# KiCad board Ethernet controller W5500 board_panel.kicad_pcb (continued)
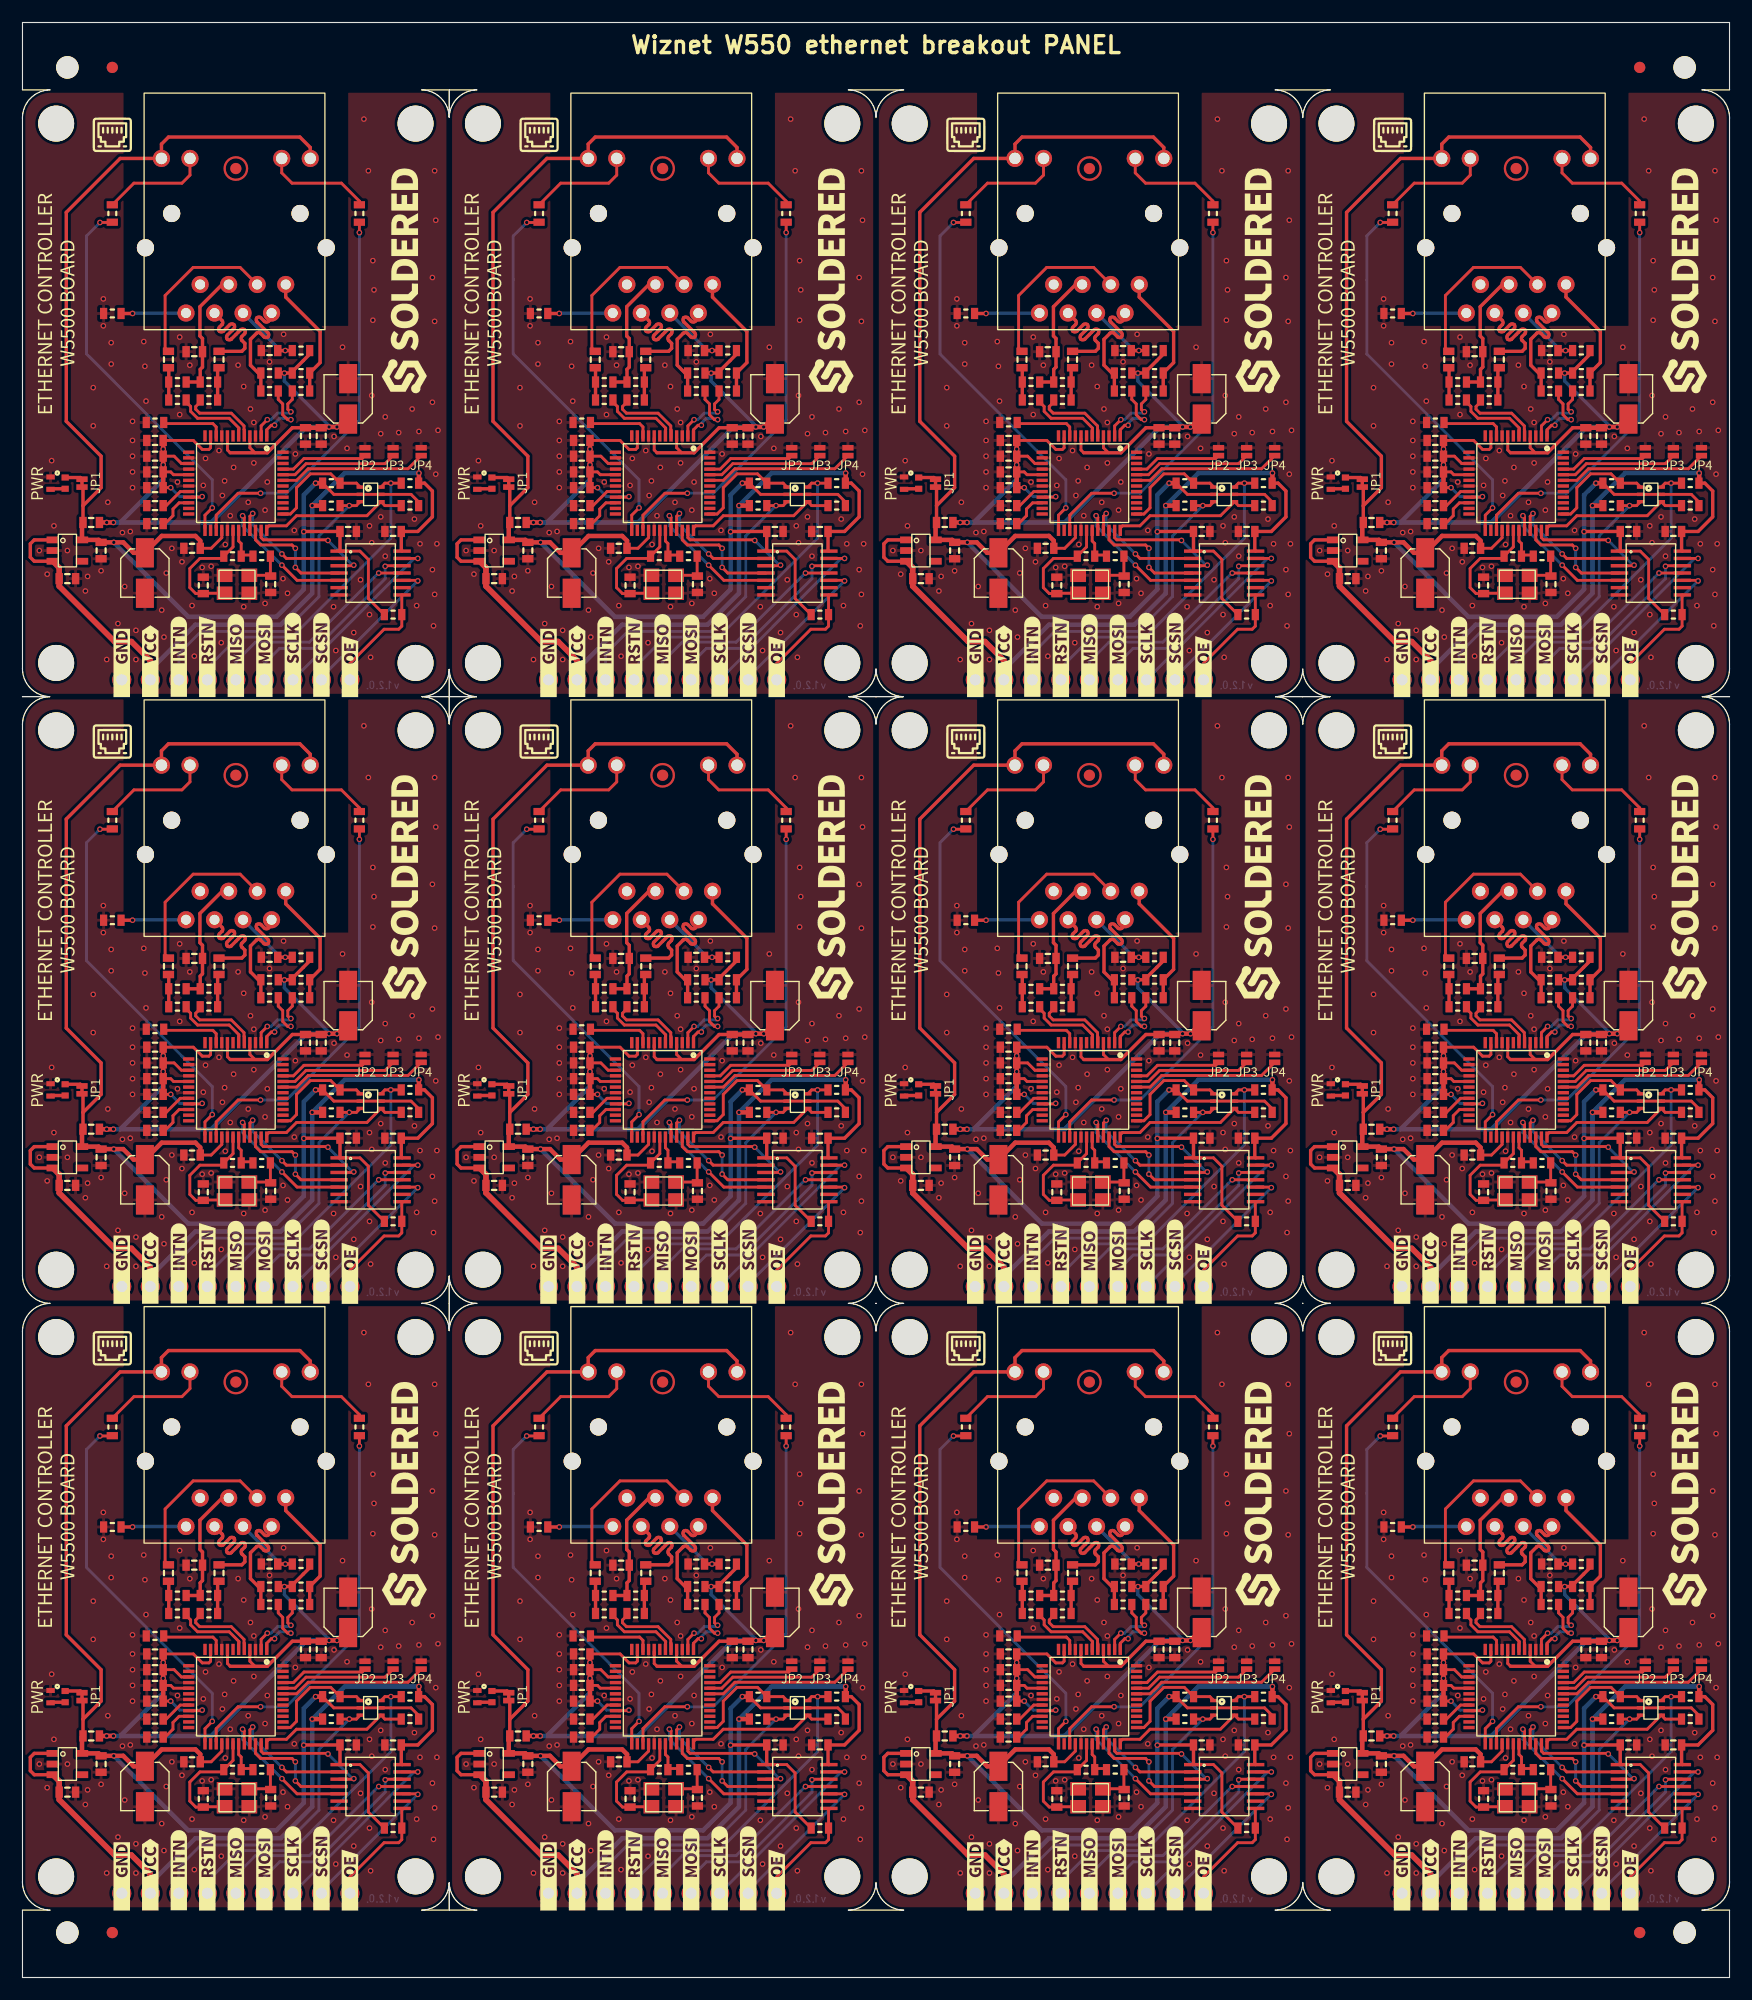
[diagram p0: board, top side]
## Placement (name value [footprint] x y rotation side) (continued)
kibuzzard-6412C5EF#2  G***  [kibuzzard-6412C5EF]  40 149 90 top
kibuzzard-6412C5EF#3  G***  [kibuzzard-6412C5EF]  116 41 90 top
kibuzzard-6412C5EF#4  G***  [kibuzzard-6412C5EF]  116 149 90 top
kibuzzard-6412C5EF#5  G***  [kibuzzard-6412C5EF]  78 95 90 top
kibuzzard-6412C5EF#6  G***  [kibuzzard-6412C5EF]  2 41 90 top
kibuzzard-6412C5EF#7  G***  [kibuzzard-6412C5EF]  40 95 90 top
kibuzzard-6412C5EF#8  G***  [kibuzzard-6412C5EF]  78 41 90 top
kibuzzard-6412C5EF#9  G***  [kibuzzard-6412C5EF]  2 95 90 top
kibuzzard-6412C5EF#10  G***  [kibuzzard-6412C5EF]  116 95 90 top
kibuzzard-6412C5EF#11  G***  [kibuzzard-6412C5EF]  2 149 90 top
kibuzzard-6412C5EF#12  G***  [kibuzzard-6412C5EF]  40 41 90 top
kibuzzard-6412C6D5  G***  [kibuzzard-6412C6D5]  144.5 80.6 0 top
kibuzzard-6412C6D5#2  G***  [kibuzzard-6412C6D5]  144.5 134.6 0 top
kibuzzard-6412C6D5#3  G***  [kibuzzard-6412C6D5]  30.5 80.6 0 top
kibuzzard-6412C6D5#4  G***  [kibuzzard-6412C6D5]  144.5 26.6 0 top
kibuzzard-6412C6D5#5  G***  [kibuzzard-6412C6D5]  30.5 134.6 0 top
kibuzzard-6412C6D5#6  G***  [kibuzzard-6412C6D5]  68.5 80.6 0 top
kibuzzard-6412C6D5#7  G***  [kibuzzard-6412C6D5]  106.5 80.6 0 top
kibuzzard-6412C6D5#8  G***  [kibuzzard-6412C6D5]  68.5 134.6 0 top
kibuzzard-6412C6D5#9  G***  [kibuzzard-6412C6D5]  30.5 26.6 0 top
kibuzzard-6412C6D5#10  G***  [kibuzzard-6412C6D5]  106.5 26.6 0 top
kibuzzard-6412C6D5#11  G***  [kibuzzard-6412C6D5]  106.5 134.6 0 top
kibuzzard-6412C6D5#12  G***  [kibuzzard-6412C6D5]  68.5 26.6 0 top
kibuzzard-6412C6F8  G***  [kibuzzard-6412C6F8]  33 134.6 0 top
kibuzzard-6412C6F8#2  G***  [kibuzzard-6412C6F8]  71 134.6 0 top
kibuzzard-6412C6F8#3  G***  [kibuzzard-6412C6F8]  71 26.6 0 top
kibuzzard-6412C6F8#4  G***  [kibuzzard-6412C6F8]  109 80.6 0 top
kibuzzard-6412C6F8#5  G***  [kibuzzard-6412C6F8]  33 26.6 0 top
kibuzzard-6412C6F8#6  G***  [kibuzzard-6412C6F8]  109 134.6 0 top
kibuzzard-6412C6F8#7  G***  [kibuzzard-6412C6F8]  109 26.6 0 top
kibuzzard-6412C6F8#8  G***  [kibuzzard-6412C6F8]  71 80.6 0 top
kibuzzard-6412C6F8#9  G***  [kibuzzard-6412C6F8]  33 80.6 0 top
kibuzzard-6412C6F8#10  G***  [kibuzzard-6412C6F8]  147 80.6 0 top
kibuzzard-6412C6F8#11  G***  [kibuzzard-6412C6F8]  147 134.6 0 top
kibuzzard-6412C6F8#12  G***  [kibuzzard-6412C6F8]  147 26.6 0 top
kibuzzard-6412C7B1  G***  [kibuzzard-6412C7B1]  59.54 63.64 90 top
kibuzzard-6412C7B1#2  G***  [kibuzzard-6412C7B1]  135.54 9.64 90 top
kibuzzard-6412C7B1#3  G***  [kibuzzard-6412C7B1]  59.54 9.64 90 top
kibuzzard-6412C7B1#4  G***  [kibuzzard-6412C7B1]  97.54 63.64 90 top
kibuzzard-6412C7B1#5  G***  [kibuzzard-6412C7B1]  21.54 9.64 90 top
kibuzzard-6412C7B1#6  G***  [kibuzzard-6412C7B1]  135.54 117.64 90 top
kibuzzard-6412C7B1#7  G***  [kibuzzard-6412C7B1]  21.54 117.64 90 top
kibuzzard-6412C7B1#8  G***  [kibuzzard-6412C7B1]  97.54 9.64 90 top
kibuzzard-6412C7B1#9  G***  [kibuzzard-6412C7B1]  97.54 117.64 90 top
kibuzzard-6412C7B1#10  G***  [kibuzzard-6412C7B1]  21.54 63.64 90 top
kibuzzard-6412C7B1#11  G***  [kibuzzard-6412C7B1]  59.54 117.64 90 top
kibuzzard-6412C7B1#12  G***  [kibuzzard-6412C7B1]  135.54 63.64 90 top
kibuzzard-6412C7D4  G***  [kibuzzard-6412C7D4]  100.08 63.72 90 top
kibuzzard-6412C7D4#2  G***  [kibuzzard-6412C7D4]  62.08 117.72 90 top
kibuzzard-6412C7D4#3  G***  [kibuzzard-6412C7D4]  100.08 117.72 90 top
kibuzzard-6412C7D4#4  G***  [kibuzzard-6412C7D4]  138.08 117.72 90 top
kibuzzard-6412C7D4#5  G***  [kibuzzard-6412C7D4]  138.08 9.72 90 top
kibuzzard-6412C7D4#6  G***  [kibuzzard-6412C7D4]  24.08 9.72 90 top
kibuzzard-6412C7D4#7  G***  [kibuzzard-6412C7D4]  100.08 9.72 90 top
kibuzzard-6412C7D4#8  G***  [kibuzzard-6412C7D4]  24.08 63.72 90 top
kibuzzard-6412C7D4#9  G***  [kibuzzard-6412C7D4]  24.08 117.72 90 top
kibuzzard-6412C7D4#10  G***  [kibuzzard-6412C7D4]  62.08 63.72 90 top
kibuzzard-6412C7D4#11  G***  [kibuzzard-6412C7D4]  62.08 9.72 90 top
kibuzzard-6412C7D4#12  G***  [kibuzzard-6412C7D4]  138.08 63.72 90 top
kibuzzard-6412C7E6  G***  [kibuzzard-6412C7E6]  64.62 63.72 90 top
kibuzzard-6412C7E6#2  G***  [kibuzzard-6412C7E6]  102.62 9.72 90 top
kibuzzard-6412C7E6#3  G***  [kibuzzard-6412C7E6]  26.62 63.72 90 top
kibuzzard-6412C7E6#4  G***  [kibuzzard-6412C7E6]  64.62 9.72 90 top
kibuzzard-6412C7E6#5  G***  [kibuzzard-6412C7E6]  140.62 117.72 90 top
kibuzzard-6412C7E6#6  G***  [kibuzzard-6412C7E6]  26.62 9.72 90 top
kibuzzard-6412C7E6#7  G***  [kibuzzard-6412C7E6]  102.62 117.72 90 top
kibuzzard-6412C7E6#8  G***  [kibuzzard-6412C7E6]  140.62 63.72 90 top
kibuzzard-6412C7E6#9  G***  [kibuzzard-6412C7E6]  140.62 9.72 90 top
kibuzzard-6412C7E6#10  G***  [kibuzzard-6412C7E6]  102.62 63.72 90 top
kibuzzard-6412C7E6#11  G***  [kibuzzard-6412C7E6]  64.62 117.72 90 top
kibuzzard-6412C7E6#12  G***  [kibuzzard-6412C7E6]  26.62 117.72 90 top
kibuzzard-6412C67E  G***  [kibuzzard-6412C67E]  82.5 25 90 top
kibuzzard-6412C67E#2  G***  [kibuzzard-6412C67E]  44.5 25 90 top
kibuzzard-6412C67E#3  G***  [kibuzzard-6412C67E]  120.5 133 90 top
kibuzzard-6412C67E#4  G***  [kibuzzard-6412C67E]  6.5 133 90 top
kibuzzard-6412C67E#5  G***  [kibuzzard-6412C67E]  44.5 79 90 top
kibuzzard-6412C67E#6  G***  [kibuzzard-6412C67E]  6.5 25 90 top
kibuzzard-6412C67E#7  G***  [kibuzzard-6412C67E]  120.5 25 90 top
kibuzzard-6412C67E#8  G***  [kibuzzard-6412C67E]  120.5 79 90 top
kibuzzard-6412C67E#9  G***  [kibuzzard-6412C67E]  82.5 79 90 top
kibuzzard-6412C67E#10  G***  [kibuzzard-6412C67E]  6.5 79 90 top
kibuzzard-6412C67E#11  G***  [kibuzzard-6412C67E]  82.5 133 90 top
kibuzzard-6412C67E#12  G***  [kibuzzard-6412C67E]  44.5 133 90 top
kibuzzard-6412C73A  G***  [kibuzzard-6412C73A]  46.84 9 90 top
kibuzzard-6412C73A#2  G***  [kibuzzard-6412C73A]  8.84 63 90 top
kibuzzard-6412C73A#3  G***  [kibuzzard-6412C73A]  8.84 9 90 top
kibuzzard-6412C73A#4  G***  [kibuzzard-6412C73A]  8.84 117 90 top
kibuzzard-6412C73A#5  G***  [kibuzzard-6412C73A]  84.84 117 90 top
kibuzzard-6412C73A#6  G***  [kibuzzard-6412C73A]  122.84 9 90 top
kibuzzard-6412C73A#7  G***  [kibuzzard-6412C73A]  122.84 63 90 top
kibuzzard-6412C73A#8  G***  [kibuzzard-6412C73A]  84.84 9 90 top
kibuzzard-6412C73A#9  G***  [kibuzzard-6412C73A]  122.84 117 90 top
kibuzzard-6412C73A#10  G***  [kibuzzard-6412C73A]  84.84 63 90 top
kibuzzard-6412C73A#11  G***  [kibuzzard-6412C73A]  46.84 63 90 top
kibuzzard-6412C73A#12  G***  [kibuzzard-6412C73A]  46.84 117 90 top
kibuzzard-6412C76F  G***  [kibuzzard-6412C76F]  89.92 63.55 90 top
kibuzzard-6412C76F#2  G***  [kibuzzard-6412C76F]  127.92 117.55 90 top
kibuzzard-6412C76F#3  G***  [kibuzzard-6412C76F]  127.92 63.55 90 top
kibuzzard-6412C76F#4  G***  [kibuzzard-6412C76F]  13.92 63.55 90 top
kibuzzard-6412C76F#5  G***  [kibuzzard-6412C76F]  89.92 117.55 90 top
kibuzzard-6412C76F#6  G***  [kibuzzard-6412C76F]  51.92 9.55 90 top
kibuzzard-6412C76F#7  G***  [kibuzzard-6412C76F]  127.92 9.55 90 top
kibuzzard-6412C76F#8  G***  [kibuzzard-6412C76F]  89.92 9.55 90 top
kibuzzard-6412C76F#9  G***  [kibuzzard-6412C76F]  51.92 117.55 90 top
kibuzzard-6412C76F#10  G***  [kibuzzard-6412C76F]  51.92 63.55 90 top
kibuzzard-6412C76F#11  G***  [kibuzzard-6412C76F]  13.92 9.55 90 top
kibuzzard-6412C76F#12  G***  [kibuzzard-6412C76F]  13.92 117.55 90 top
kibuzzard-6412C79E  G***  [kibuzzard-6412C79E]  19 63.66 90 top
kibuzzard-6412C79E#2  G***  [kibuzzard-6412C79E]  95 63.66 90 top
kibuzzard-6412C79E#3  G***  [kibuzzard-6412C79E]  95 117.66 90 top
kibuzzard-6412C79E#4  G***  [kibuzzard-6412C79E]  57 117.66 90 top
kibuzzard-6412C79E#5  G***  [kibuzzard-6412C79E]  133 63.66 90 top
kibuzzard-6412C79E#6  G***  [kibuzzard-6412C79E]  57 9.66 90 top
kibuzzard-6412C79E#7  G***  [kibuzzard-6412C79E]  19 117.66 90 top
kibuzzard-6412C79E#8  G***  [kibuzzard-6412C79E]  133 117.66 90 top
kibuzzard-6412C79E#9  G***  [kibuzzard-6412C79E]  95 9.66 90 top
kibuzzard-6412C79E#10  G***  [kibuzzard-6412C79E]  133 9.66 90 top
kibuzzard-6412C79E#11  G***  [kibuzzard-6412C79E]  57 63.66 90 top
kibuzzard-6412C79E#12  G***  [kibuzzard-6412C79E]  19 9.66 90 top
kibuzzard-6412C628  G***  [kibuzzard-6412C628]  42 95 90 top
kibuzzard-6412C628#2  G***  [kibuzzard-6412C628]  42 149 90 top
kibuzzard-6412C628#3  G***  [kibuzzard-6412C628]  118 95 90 top
kibuzzard-6412C628#4  G***  [kibuzzard-6412C628]  4 41 90 top
kibuzzard-6412C628#5  G***  [kibuzzard-6412C628]  80 149 90 top
kibuzzard-6412C628#6  G***  [kibuzzard-6412C628]  42 41 90 top
kibuzzard-6412C628#7  G***  [kibuzzard-6412C628]  80 95 90 top
kibuzzard-6412C628#8  G***  [kibuzzard-6412C628]  4 95 90 top
kibuzzard-6412C628#9  G***  [kibuzzard-6412C628]  80 41 90 top
kibuzzard-6412C628#10  G***  [kibuzzard-6412C628]  118 41 90 top
kibuzzard-6412C628#11  G***  [kibuzzard-6412C628]  4 149 90 top
kibuzzard-6412C628#12  G***  [kibuzzard-6412C628]  118 149 90 top
kibuzzard-6412C635  G***  [kibuzzard-6412C635]  115.3 25 90 top
kibuzzard-6412C635#2  G***  [kibuzzard-6412C635]  1.3 79 90 top
kibuzzard-6412C635#3  G***  [kibuzzard-6412C635]  1.3 25 90 top
kibuzzard-6412C635#4  G***  [kibuzzard-6412C635]  77.3 133 90 top
kibuzzard-6412C635#5  G***  [kibuzzard-6412C635]  77.3 25 90 top
kibuzzard-6412C635#6  G***  [kibuzzard-6412C635]  39.3 133 90 top
kibuzzard-6412C635#7  G***  [kibuzzard-6412C635]  115.3 133 90 top
kibuzzard-6412C635#8  G***  [kibuzzard-6412C635]  39.3 25 90 top
kibuzzard-6412C635#9  G***  [kibuzzard-6412C635]  39.3 79 90 top
kibuzzard-6412C635#10  G***  [kibuzzard-6412C635]  77.3 79 90 top
kibuzzard-6412C635#11  G***  [kibuzzard-6412C635]  1.3 133 90 top
kibuzzard-6412C635#12  G***  [kibuzzard-6412C635]  115.3 79 90 top
kibuzzard-6412C713  G***  [kibuzzard-6412C713]  35.5 26.6 0 top
kibuzzard-6412C713#2  G***  [kibuzzard-6412C713]  111.5 80.6 0 top
kibuzzard-6412C713#3  G***  [kibuzzard-6412C713]  111.5 26.6 0 top
kibuzzard-6412C713#4  G***  [kibuzzard-6412C713]  35.5 134.6 0 top
kibuzzard-6412C713#5  G***  [kibuzzard-6412C713]  73.5 134.6 0 top
kibuzzard-6412C713#6  G***  [kibuzzard-6412C713]  35.5 80.6 0 top
kibuzzard-6412C713#7  G***  [kibuzzard-6412C713]  73.5 26.6 0 top
kibuzzard-6412C713#8  G***  [kibuzzard-6412C713]  149.5 80.6 0 top
kibuzzard-6412C713#9  G***  [kibuzzard-6412C713]  111.5 134.6 0 top
kibuzzard-6412C713#10  G***  [kibuzzard-6412C713]  73.5 80.6 0 top
kibuzzard-6412C713#11  G***  [kibuzzard-6412C713]  149.5 26.6 0 top
kibuzzard-6412C713#12  G***  [kibuzzard-6412C713]  149.5 134.6 0 top
kibuzzard-6412C763  G***  [kibuzzard-6412C763]  49.38 9.16 90 top
kibuzzard-6412C763#2  G***  [kibuzzard-6412C763]  125.38 117.16 90 top
kibuzzard-6412C763#3  G***  [kibuzzard-6412C763]  87.38 63.16 90 top
kibuzzard-6412C763#4  G***  [kibuzzard-6412C763]  125.38 9.16 90 top
kibuzzard-6412C763#5  G***  [kibuzzard-6412C763]  49.38 117.16 90 top
kibuzzard-6412C763#6  G***  [kibuzzard-6412C763]  125.38 63.16 90 top
kibuzzard-6412C763#7  G***  [kibuzzard-6412C763]  11.38 9.16 90 top
kibuzzard-6412C763#8  G***  [kibuzzard-6412C763]  49.38 63.16 90 top
kibuzzard-6412C763#9  G***  [kibuzzard-6412C763]  87.38 117.16 90 top
kibuzzard-6412C763#10  G***  [kibuzzard-6412C763]  87.38 9.16 90 top
kibuzzard-6412C763#11  G***  [kibuzzard-6412C763]  11.38 117.16 90 top
kibuzzard-6412C763#12  G***  [kibuzzard-6412C763]  11.38 63.16 90 top
kibuzzard-6412C787  G***  [kibuzzard-6412C787]  92.46 9.55 90 top
kibuzzard-6412C787#2  G***  [kibuzzard-6412C787]  54.46 117.55 90 top
kibuzzard-6412C787#3  G***  [kibuzzard-6412C787]  92.46 63.55 90 top
kibuzzard-6412C787#4  G***  [kibuzzard-6412C787]  130.46 63.55 90 top
kibuzzard-6412C787#5  G***  [kibuzzard-6412C787]  16.46 117.55 90 top
kibuzzard-6412C787#6  G***  [kibuzzard-6412C787]  54.46 9.55 90 top
kibuzzard-6412C787#7  G***  [kibuzzard-6412C787]  130.46 9.55 90 top
kibuzzard-6412C787#8  G***  [kibuzzard-6412C787]  16.46 63.55 90 top
kibuzzard-6412C787#9  G***  [kibuzzard-6412C787]  130.46 117.55 90 top
kibuzzard-6412C787#10  G***  [kibuzzard-6412C787]  92.46 117.55 90 top
kibuzzard-6412C787#11  G***  [kibuzzard-6412C787]  16.46 9.55 90 top
kibuzzard-6412C787#12  G***  [kibuzzard-6412C787]  54.46 63.55 90 top
kibuzzard-6412C805  G***  [kibuzzard-6412C805]  105.16 8.67 90 top
kibuzzard-6412C805#2  G***  [kibuzzard-6412C805]  29.16 116.67 90 top
kibuzzard-6412C805#3  G***  [kibuzzard-6412C805]  143.16 62.67 90 top
kibuzzard-6412C805#4  G***  [kibuzzard-6412C805]  105.16 62.67 90 top
kibuzzard-6412C805#5  G***  [kibuzzard-6412C805]  143.16 8.67 90 top
kibuzzard-6412C805#6  G***  [kibuzzard-6412C805]  105.16 116.67 90 top
kibuzzard-6412C805#7  G***  [kibuzzard-6412C805]  67.16 116.67 90 top
kibuzzard-6412C805#8  G***  [kibuzzard-6412C805]  67.16 62.67 90 top
kibuzzard-6412C805#9  G***  [kibuzzard-6412C805]  29.16 62.67 90 top
kibuzzard-6412C805#10  G***  [kibuzzard-6412C805]  143.16 116.67 90 top
kibuzzard-6412C805#11  G***  [kibuzzard-6412C805]  29.16 8.67 90 top
kibuzzard-6412C805#12  G***  [kibuzzard-6412C805]  67.16 8.67 90 top
R1  33R  [0603R]  98 33.2 180 top
R1#2  33R  [0603R]  136 141.2 180 top
R1#3  33R  [0603R]  22 141.2 180 top
R1#4  33R  [0603R]  136 33.2 180 top
R1#5  33R  [0603R]  136 87.2 180 top
R1#6  33R  [0603R]  98 141.2 180 top
R1#7  33R  [0603R]  60 141.2 180 top
R1#8  33R  [0603R]  22 87.2 180 top
R1#9  33R  [0603R]  22 33.2 180 top
R1#10  33R  [0603R]  60 87.2 180 top
R1#11  33R  [0603R]  60 33.2 180 top
R1#12  33R  [0603R]  98 87.2 180 top
R2  33R  [0603R]  100.8 141.2 0 top
R2#2  33R  [0603R]  62.8 33.2 0 top
R2#3  33R  [0603R]  100.8 33.2 0 top
R2#4  33R  [0603R]  138.8 141.2 0 top
R2#5  33R  [0603R]  138.8 87.2 0 top
R2#6  33R  [0603R]  62.8 87.2 0 top
R2#7  33R  [0603R]  138.8 33.2 0 top
R2#8  33R  [0603R]  100.8 87.2 0 top
R2#9  33R  [0603R]  62.8 141.2 0 top
R2#10  33R  [0603R]  24.8 141.2 0 top
R2#11  33R  [0603R]  24.8 33.2 0 top
R2#12  33R  [0603R]  24.8 87.2 0 top
R3  33R  [0603R]  16.6 140.4 0 top
R3#2  33R  [0603R]  54.6 86.4 0 top
R3#3  33R  [0603R]  92.6 86.4 0 top
R3#4  33R  [0603R]  16.6 32.4 0 top
R3#5  33R  [0603R]  130.6 86.4 0 top
R3#6  33R  [0603R]  130.6 32.4 0 top
R3#7  33R  [0603R]  92.6 32.4 0 top
R3#8  33R  [0603R]  54.6 32.4 0 top
R3#9  33R  [0603R]  130.6 140.4 0 top
R3#10  33R  [0603R]  16.6 86.4 0 top
R3#11  33R  [0603R]  54.6 140.4 0 top
R3#12  33R  [0603R]  92.6 140.4 0 top
R4  33R  [0603R]  51.8 140.4 180 top
R4#2  33R  [0603R]  127.8 32.4 180 top
R4#3  33R  [0603R]  13.8 140.4 180 top
R4#4  33R  [0603R]  89.8 140.4 180 top
R4#5  33R  [0603R]  89.8 86.4 180 top
R4#6  33R  [0603R]  51.8 32.4 180 top
R4#7  33R  [0603R]  13.8 86.4 180 top
R4#8  33R  [0603R]  89.8 32.4 180 top
R4#9  33R  [0603R]  127.8 140.4 180 top
R4#10  33R  [0603R]  51.8 86.4 180 top
R4#11  33R  [0603R]  13.8 32.4 180 top
R4#12  33R  [0603R]  127.8 86.4 180 top
R5  12k4_1%  [0603R]  125.8 30.4 0 top
R5#2  12k4_1%  [0603R]  11.8 84.4 0 top
R5#3  12k4_1%  [0603R]  49.8 30.4 0 top
R5#4  12k4_1%  [0603R]  11.8 138.4 0 top
R5#5  12k4_1%  [0603R]  125.8 84.4 0 top
R5#6  12k4_1%  [0603R]  87.8 30.4 0 top
R5#7  12k4_1%  [0603R]  11.8 30.4 0 top
R5#8  12k4_1%  [0603R]  125.8 138.4 0 top
R5#9  12k4_1%  [0603R]  87.8 138.4 0 top
R5#10  12k4_1%  [0603R]  49.8 138.4 0 top
R5#11  12k4_1%  [0603R]  49.8 84.4 0 top
R5#12  12k4_1%  [0603R]  87.8 84.4 0 top
R6  49R9 1%  [0603R]  22 142.8 0 top
R6#2  49R9 1%  [0603R]  22 34.8 0 top
R6#3  49R9 1%  [0603R]  136 142.8 0 top
R6#4  49R9 1%  [0603R]  136 34.8 0 top
R6#5  49R9 1%  [0603R]  22 88.8 0 top
R6#6  49R9 1%  [0603R]  60 88.8 0 top
R6#7  49R9 1%  [0603R]  136 88.8 0 top
R6#8  49R9 1%  [0603R]  98 142.8 0 top
R6#9  49R9 1%  [0603R]  98 88.8 0 top
R6#10  49R9 1%  [0603R]  98 34.8 0 top
R6#11  49R9 1%  [0603R]  60 142.8 0 top
R6#12  49R9 1%  [0603R]  60 34.8 0 top
R7  49R9 1%  [0603R]  127.8 34 180 top
R7#2  49R9 1%  [0603R]  13.8 142 180 top
R7#3  49R9 1%  [0603R]  89.8 88 180 top
R7#4  49R9 1%  [0603R]  13.8 34 180 top
R7#5  49R9 1%  [0603R]  13.8 88 180 top
R7#6  49R9 1%  [0603R]  89.8 34 180 top
R7#7  49R9 1%  [0603R]  51.8 34 180 top
R7#8  49R9 1%  [0603R]  89.8 142 180 top
R7#9  49R9 1%  [0603R]  51.8 88 180 top
R7#10  49R9 1%  [0603R]  51.8 142 180 top
R7#11  49R9 1%  [0603R]  127.8 142 180 top
R7#12  49R9 1%  [0603R]  127.8 88 180 top
R8  49R9 1%  [0603R]  62.8 88.8 180 top
R8#2  49R9 1%  [0603R]  24.8 34.8 180 top
R8#3  49R9 1%  [0603R]  100.8 142.8 180 top
R8#4  49R9 1%  [0603R]  62.8 142.8 180 top
R8#5  49R9 1%  [0603R]  100.8 88.8 180 top
R8#6  49R9 1%  [0603R]  138.8 142.8 180 top
R8#7  49R9 1%  [0603R]  138.8 88.8 180 top
R8#8  49R9 1%  [0603R]  62.8 34.8 180 top
R8#9  49R9 1%  [0603R]  24.8 88.8 180 top
R8#10  49R9 1%  [0603R]  100.8 34.8 180 top
R8#11  49R9 1%  [0603R]  138.8 34.8 180 top
R8#12  49R9 1%  [0603R]  24.8 142.8 180 top
R9  49R9 1%  [0603R]  92.6 88 0 top
R9#2  49R9 1%  [0603R]  16.6 88 0 top
R9#3  49R9 1%  [0603R]  54.6 142 0 top
R9#4  49R9 1%  [0603R]  16.6 34 0 top
R9#5  49R9 1%  [0603R]  16.6 142 0 top
R9#6  49R9 1%  [0603R]  92.6 34 0 top
R9#7  49R9 1%  [0603R]  54.6 88 0 top
R9#8  49R9 1%  [0603R]  130.6 142 0 top
R9#9  49R9 1%  [0603R]  54.6 34 0 top
R9#10  49R9 1%  [0603R]  130.6 88 0 top
R9#11  49R9 1%  [0603R]  130.6 34 0 top
R9#12  49R9 1%  [0603R]  92.6 142 0 top
R10  10R 1%  [0603R]  138.8 144.8 0 top
R10#2  10R 1%  [0603R]  62.8 144.8 0 top
R10#3  10R 1%  [0603R]  138.8 36.8 0 top
R10#4  10R 1%  [0603R]  62.8 90.8 0 top
R10#5  10R 1%  [0603R]  24.8 90.8 0 top
R10#6  10R 1%  [0603R]  100.8 144.8 0 top
R10#7  10R 1%  [0603R]  100.8 36.8 0 top
R10#8  10R 1%  [0603R]  100.8 90.8 0 top
R10#9  10R 1%  [0603R]  24.8 144.8 0 top
R10#10  10R 1%  [0603R]  24.8 36.8 0 top
R10#11  10R 1%  [0603R]  62.8 36.8 0 top
R10#12  10R 1%  [0603R]  138.8 90.8 0 top
R11  330R  [0603R]  8 157 270 top
R11#2  330R  [0603R]  46 157 270 top
R11#3  330R  [0603R]  8 103 270 top
R11#4  330R  [0603R]  46 49 270 top
R11#5  330R  [0603R]  46 103 270 top
R11#6  330R  [0603R]  122 157 270 top
R11#7  330R  [0603R]  84 157 270 top
R11#8  330R  [0603R]  122 103 270 top
R11#9  330R  [0603R]  84 49 270 top
R11#10  330R  [0603R]  84 103 270 top
R11#11  330R  [0603R]  8 49 270 top
R11#12  330R  [0603R]  122 49 270 top
R12  330R  [0603R]  30 157 270 top
R12#2  330R  [0603R]  68 49 270 top
R12#3  330R  [0603R]  144 49 270 top
R12#4  330R  [0603R]  106 103 270 top
R12#5  330R  [0603R]  30 49 270 top
R12#6  330R  [0603R]  106 49 270 top
R12#7  330R  [0603R]  144 157 270 top
R12#8  330R  [0603R]  144 103 270 top
R12#9  330R  [0603R]  30 103 270 top
R12#10  330R  [0603R]  68 157 270 top
R12#11  330R  [0603R]  68 103 270 top
R12#12  330R  [0603R]  106 157 270 top
R13  2k2  [0402R]  79.8 25 270 top
R13#2  2k2  [0402R]  41.8 133 270 top
R13#3  2k2  [0402R]  3.8 79 270 top
R13#4  2k2  [0402R]  79.8 133 270 top
R13#5  2k2  [0402R]  117.8 79 270 top
R13#6  2k2  [0402R]  117.8 133 270 top
R13#7  2k2  [0402R]  79.8 79 270 top
R13#8  2k2  [0402R]  117.8 25 270 top
R13#9  2k2  [0402R]  41.8 79 270 top
R13#10  2k2  [0402R]  3.8 25 270 top
R13#11  2k2  [0402R]  3.8 133 270 top
R13#12  2k2  [0402R]  41.8 25 270 top
R14  1M  [0603R]  94.7 126.5 0 top
R14#2  1M  [0603R]  18.7 72.5 0 top
R14#3  1M  [0603R]  18.7 126.5 0 top
R14#4  1M  [0603R]  56.7 18.5 0 top
R14#5  1M  [0603R]  132.7 18.5 0 top
R14#6  1M  [0603R]  18.7 18.5 0 top
R14#7  1M  [0603R]  56.7 72.5 0 top
R14#8  1M  [0603R]  132.7 126.5 0 top
R14#9  1M  [0603R]  94.7 18.5 0 top
R14#10  1M  [0603R]  94.7 72.5 0 top
R14#11  1M  [0603R]  132.7 72.5 0 top
R14#12  1M  [0603R]  56.7 126.5 0 top
R15  0R  [0603R]  21.3 18.5 180 top
R15#2  0R  [0603R]  135.3 18.5 180 top
R15#3  0R  [0603R]  135.3 126.5 180 top
R15#4  0R  [0603R]  59.3 72.5 180 top
R15#5  0R  [0603R]  97.3 72.5 180 top
R15#6  0R  [0603R]  59.3 126.5 180 top
R15#7  0R  [0603R]  97.3 18.5 180 top
R15#8  0R  [0603R]  97.3 126.5 180 top
R15#9  0R  [0603R]  21.3 126.5 180 top
R15#10  0R  [0603R]  135.3 72.5 180 top
R15#11  0R  [0603R]  59.3 18.5 180 top
R15#12  0R  [0603R]  21.3 72.5 180 top
R16  0R  [0603R]  8 148.1 0 top
R16#2  0R  [0603R]  122 94.1 0 top
R16#3  0R  [0603R]  122 148.1 0 top
R16#4  0R  [0603R]  84 148.1 0 top
R16#5  0R  [0603R]  8 40.1 0 top
R16#6  0R  [0603R]  84 40.1 0 top
R16#7  0R  [0603R]  8 94.1 0 top
R16#8  0R  [0603R]  84 94.1 0 top
R16#9  0R  [0603R]  46 148.1 0 top
R16#10  0R  [0603R]  46 94.1 0 top
R16#11  0R  [0603R]  46 40.1 0 top
R16#12  0R  [0603R]  122 40.1 0 top
R17  10k  [0603R]  71 121.3 0 top
R17#2  10k  [0603R]  71 67.3 0 top
R17#3  10k  [0603R]  109 13.3 0 top
R17#4  10k  [0603R]  147 121.3 0 top
R17#5  10k  [0603R]  147 67.3 0 top
R17#6  10k  [0603R]  109 121.3 0 top
R17#7  10k  [0603R]  147 13.3 0 top
R17#8  10k  [0603R]  109 67.3 0 top
R17#9  10k  [0603R]  33 121.3 0 top
R17#10  10k  [0603R]  33 13.3 0 top
R17#11  10k  [0603R]  33 67.3 0 top
R17#12  10k  [0603R]  71 13.3 0 top
R21  10k  [0603R]  65.5 79 180 top
R21#2  10k  [0603R]  65.5 133 180 top
R21#3  10k  [0603R]  103.5 133 180 top
R21#4  10k  [0603R]  27.5 25 180 top
R21#5  10k  [0603R]  27.5 79 180 top
R21#6  10k  [0603R]  103.5 79 180 top
R21#7  10k  [0603R]  103.5 25 180 top
R21#8  10k  [0603R]  141.5 25 180 top
R21#9  10k  [0603R]  141.5 133 180 top
R21#10  10k  [0603R]  141.5 79 180 top
R21#11  10k  [0603R]  65.5 25 180 top
R21#12  10k  [0603R]  27.5 133 180 top
R22  10k  [0603R]  65.5 131 0 top
R22#2  10k  [0603R]  65.5 23 0 top
R22#3  10k  [0603R]  103.5 77 0 top
R22#4  10k  [0603R]  141.5 77 0 top
R22#5  10k  [0603R]  103.5 23 0 top
R22#6  10k  [0603R]  27.5 131 0 top
R22#7  10k  [0603R]  65.5 77 0 top
R22#8  10k  [0603R]  103.5 131 0 top
R22#9  10k  [0603R]  141.5 23 0 top
R22#10  10k  [0603R]  141.5 131 0 top
R22#11  10k  [0603R]  27.5 77 0 top
R22#12  10k  [0603R]  27.5 23 0 top
R27  10k  [0603R]  72.5 79 0 top
R27#2  10k  [0603R]  148.5 79 0 top
R27#3  10k  [0603R]  72.5 25 0 top
R27#4  10k  [0603R]  110.5 79 0 top
R27#5  10k  [0603R]  72.5 133 0 top
R27#6  10k  [0603R]  110.5 25 0 top
R27#7  10k  [0603R]  110.5 133 0 top
R27#8  10k  [0603R]  34.5 25 0 top
R27#9  10k  [0603R]  34.5 133 0 top
R27#10  10k  [0603R]  148.5 133 0 top
R27#11  10k  [0603R]  34.5 79 0 top
R27#12  10k  [0603R]  148.5 25 0 top
R28  10k  [0603R]  34.5 131 180 top
R28#2  10k  [0603R]  110.5 23 180 top
R28#3  10k  [0603R]  72.5 131 180 top
R28#4  10k  [0603R]  148.5 23 180 top
R28#5  10k  [0603R]  34.5 77 180 top
R28#6  10k  [0603R]  148.5 131 180 top
R28#7  10k  [0603R]  110.5 131 180 top
R28#8  10k  [0603R]  34.5 23 180 top
R28#9  10k  [0603R]  148.5 77 180 top
R28#10  10k  [0603R]  72.5 23 180 top
R28#11  10k  [0603R]  110.5 77 180 top
R28#12  10k  [0603R]  72.5 77 180 top
REF**  -  [Logo-Back-UKCA-3.5mm]  91 66 0 top
REF**#2  -  [Logo-Back-UKCA-3.5mm]  15 66 0 top
REF**#3  -  [Logo-Back-CE-3.5mm]  134 66 0 top
REF**#4  -  [Logo-Back-CE-3.5mm]  96 12 0 top
REF**#5  -  [NPTH]  148 4 0 top
REF**#6  -  [Logo-Front-SolderedFULL-20mm]  148 97 90 top
REF**#7  Logo-Front-SolderedFULL-20mm  [Logo-Back-SolderedFULL-20mm]  95 88 0 top
REF**#8  -  [Logo-Front-SolderedFULL-20mm]  148 151 90 top
REF**#9  -  [NPTH]  4 4 0 top
REF**#10  -  [Logo-Back-CE-3.5mm]  20 66 0 top
REF**#11  -  [Logo-Back-CE-3.5mm]  134 120 0 top
REF**#12  -  [Logo-Front-SolderedFULL-20mm]  72 43 90 top
REF**#13  Logo-Front-SolderedFULL-20mm  [Logo-Back-SolderedFULL-20mm]  57 88 0 top
REF**#14  -  [Logo-Back-UKCA-3.5mm]  53 66 0 top
REF**#15  -  [Logo-Front-SolderedFULL-20mm]  110 43 90 top
REF**#16  Logo-Front-SolderedFULL-20mm  [Logo-Back-SolderedFULL-20mm]  133 34 0 top
REF**#17  -  [Logo-Back-UKCA-3.5mm]  129 66 0 top
REF**#18  -  [Logo-Back-CE-3.5mm]  20 12 0 top
REF**#19  Logo-Front-SolderedFULL-20mm  [Logo-Back-SolderedFULL-20mm]  57 34 0 top
REF**#20  -  [Logo-Back-CE-3.5mm]  20 120 0 top
REF**#21  -  [Fiducial]  8 4 0 top
REF**#22  Logo-Front-SolderedFULL-20mm  [Logo-Back-SolderedFULL-20mm]  19 88 0 top
REF**#23  -  [Fiducial]  144 4 0 top
REF**#24  -  [Logo-Back-UKCA-3.5mm]  53 12 0 top
REF**#25  -  [Logo-Back-CE-3.5mm]  134 12 0 top
REF**#26  -  [Logo-Back-UKCA-3.5mm]  129 120 0 top
REF**#27  -  [Logo-Back-UKCA-3.5mm]  15 12 0 top
REF**#28  -  [Logo-Back-UKCA-3.5mm]  53 120 0 top
REF**#29  Logo-Front-SolderedFULL-20mm  [Logo-Back-SolderedFULL-20mm]  95 142 0 top
REF**#30  -  [Logo-Back-UKCA-3.5mm]  15 120 0 top
REF**#31  -  [Logo-Back-CE-3.5mm]  58 120 0 top
REF**#32  Logo-Front-SolderedFULL-20mm  [Logo-Back-SolderedFULL-20mm]  19 34 0 top
REF**#33  -  [Fiducial]  8 170 0 top
REF**#34  -  [Logo-Front-SolderedFULL-20mm]  110 97 90 top
REF**#35  -  [Logo-Front-SolderedFULL-20mm]  34 151 90 top
REF**#36  -  [Logo-Back-UKCA-3.5mm]  129 12 0 top
REF**#37  -  [NPTH]  148 170 0 top
REF**#38  Logo-Front-SolderedFULL-20mm  [Logo-Back-SolderedFULL-20mm]  133 88 0 top
REF**#39  -  [Logo-Back-CE-3.5mm]  96 66 0 top
REF**#40  -  [Logo-Back-CE-3.5mm]  96 120 0 top
REF**#41  Logo-Front-SolderedFULL-20mm  [Logo-Back-SolderedFULL-20mm]  133 142 0 top
REF**#42  -  [Logo-Front-SolderedFULL-20mm]  110 151 90 top
REF**#43  -  [Logo-Front-SolderedFULL-20mm]  72 97 90 top
REF**#44  Logo-Front-SolderedFULL-20mm  [Logo-Back-SolderedFULL-20mm]  95 34 0 top
REF**#45  -  [Logo-Front-SolderedFULL-20mm]  34 43 90 top
REF**#46  -  [Logo-Back-CE-3.5mm]  58 66 0 top
REF**#47  -  [NPTH]  4 170 0 top
REF**#48  -  [Logo-Front-SolderedFULL-20mm]  72 151 90 top
REF**#49  Logo-Front-SolderedFULL-20mm  [Logo-Back-SolderedFULL-20mm]  57 142 0 top
REF**#50  Logo-Front-SolderedFULL-20mm  [Logo-Back-SolderedFULL-20mm]  19 142 0 top
REF**#51  -  [Logo-Back-UKCA-3.5mm]  91 120 0 top
REF**#52  -  [Fiducial]  144 170 0 top
REF**#53  -  [Logo-Front-SolderedFULL-20mm]  148 43 90 top
REF**#54  -  [Logo-Back-CE-3.5mm]  58 12 0 top
REF**#55  -  [Logo-Back-UKCA-3.5mm]  91 12 0 top
REF**#56  -  [Logo-Front-SolderedFULL-20mm]  34 97 90 top
REF**#57  -  [Version1.2.0]  146.04 61.01 180 bottom
REF**#58  -  [Version1.2.0]  70.04 115.01 180 bottom
REF**#59  -  [Fiducial]  144 4 0 bottom
REF**#60  -  [Version1.2.0]  146.04 115.01 180 bottom
REF**#61  -  [Version1.2.0]  32.04 61.01 180 bottom
REF**#62  -  [Version1.2.0]  108.04 115.01 180 bottom
REF**#63  -  [Version1.2.0]  108.04 61.01 180 bottom
REF**#64  -  [Version1.2.0]  32.04 115.01 180 bottom
REF**#65  -  [Version1.2.0]  70.04 7.01 180 bottom
REF**#66  -  [Fiducial]  144 170 0 bottom
REF**#67  -  [Version1.2.0]  70.04 61.01 180 bottom
REF**#68  -  [Version1.2.0]  108.04 7.01 180 bottom
REF**#69  -  [Version1.2.0]  146.04 7.01 180 bottom
REF**#70  -  [Fiducial]  8 170 0 bottom
REF**#71  -  [Version1.2.0]  32.04 7.01 180 bottom
REF**#72  -  [Fiducial]  8 4 0 bottom
U1  W5500  [WIZnet W5500]  57 79 270 top
U1#2  W5500  [WIZnet W5500]  133 25 270 top
U1#3  W5500  [WIZnet W5500]  95 133 270 top
U1#4  W5500  [WIZnet W5500]  19 79 270 top
U1#5  W5500  [WIZnet W5500]  57 133 270 top
U1#6  W5500  [WIZnet W5500]  19 25 270 top
U1#7  W5500  [WIZnet W5500]  133 79 270 top
U1#8  W5500  [WIZnet W5500]  57 25 270 top
U1#9  W5500  [WIZnet W5500]  95 25 270 top
U1#10  W5500  [WIZnet W5500]  95 79 270 top
U1#11  W5500  [WIZnet W5500]  19 133 270 top
U1#12  W5500  [WIZnet W5500]  133 133 270 top
U2  SE5218  [SOT-23-5]  4 127 0 top
U2#2  SE5218  [SOT-23-5]  42 19 0 top
U2#3  SE5218  [SOT-23-5]  118 19 0 top
U2#4  SE5218  [SOT-23-5]  4 19 0 top
U2#5  SE5218  [SOT-23-5]  118 127 0 top
U2#6  SE5218  [SOT-23-5]  42 127 0 top
U2#7  SE5218  [SOT-23-5]  118 73 0 top
U2#8  SE5218  [SOT-23-5]  80 19 0 top
U2#9  SE5218  [SOT-23-5]  42 73 0 top
U2#10  SE5218  [SOT-23-5]  80 127 0 top
U2#11  SE5218  [SOT-23-5]  4 73 0 top
U2#12  SE5218  [SOT-23-5]  80 73 0 top
U3  TXB0104PWR  [TXB0104QPWRQ1]  69 17 0 top
U3#2  TXB0104PWR  [TXB0104QPWRQ1]  107 17 0 top
U3#3  TXB0104PWR  [TXB0104QPWRQ1]  107 71 0 top
U3#4  TXB0104PWR  [TXB0104QPWRQ1]  69 71 0 top
U3#5  TXB0104PWR  [TXB0104QPWRQ1]  145 125 0 top
U3#6  TXB0104PWR  [TXB0104QPWRQ1]  145 17 0 top
U3#7  TXB0104PWR  [TXB0104QPWRQ1]  31 125 0 top
U3#8  TXB0104PWR  [TXB0104QPWRQ1]  69 125 0 top
U3#9  TXB0104PWR  [TXB0104QPWRQ1]  145 71 0 top
U3#10  TXB0104PWR  [TXB0104QPWRQ1]  31 17 0 top
U3#11  TXB0104PWR  [TXB0104QPWRQ1]  107 125 0 top
U3#12  TXB0104PWR  [TXB0104QPWRQ1]  31 71 0 top
U5  NMOS-DUAL  [SOT-363]  69 24 0 top
U5#2  NMOS-DUAL  [SOT-363]  69 78 0 top
U5#3  NMOS-DUAL  [SOT-363]  31 132 0 top
U5#4  NMOS-DUAL  [SOT-363]  145 24 0 top
U5#5  NMOS-DUAL  [SOT-363]  31 78 0 top
U5#6  NMOS-DUAL  [SOT-363]  107 24 0 top
U5#7  NMOS-DUAL  [SOT-363]  145 132 0 top
U5#8  NMOS-DUAL  [SOT-363]  145 78 0 top
U5#9  NMOS-DUAL  [SOT-363]  107 132 0 top
U5#10  NMOS-DUAL  [SOT-363]  107 78 0 top
U5#11  NMOS-DUAL  [SOT-363]  31 24 0 top
U5#12  NMOS-DUAL  [SOT-363]  69 132 0 top
X1  TSX-3225 25.0000MF10P-C3  [CRYSTAL_3225__4_PAD]  57.1 70 0 top
X1#2  TSX-3225 25.0000MF10P-C3  [CRYSTAL_3225__4_PAD]  95.1 70 0 top
X1#3  TSX-3225 25.0000MF10P-C3  [CRYSTAL_3225__4_PAD]  19.1 70 0 top
X1#4  TSX-3225 25.0000MF10P-C3  [CRYSTAL_3225__4_PAD]  57.1 124 0 top
X1#5  TSX-3225 25.0000MF10P-C3  [CRYSTAL_3225__4_PAD]  19.1 16 0 top
X1#6  TSX-3225 25.0000MF10P-C3  [CRYSTAL_3225__4_PAD]  95.1 124 0 top
X1#7  TSX-3225 25.0000MF10P-C3  [CRYSTAL_3225__4_PAD]  133.1 124 0 top
X1#8  TSX-3225 25.0000MF10P-C3  [CRYSTAL_3225__4_PAD]  19.1 124 0 top
X1#9  TSX-3225 25.0000MF10P-C3  [CRYSTAL_3225__4_PAD]  133.1 70 0 top
X1#10  TSX-3225 25.0000MF10P-C3  [CRYSTAL_3225__4_PAD]  57.1 16 0 top
X1#11  TSX-3225 25.0000MF10P-C3  [CRYSTAL_3225__4_PAD]  133.1 16 0 top
X1#12  TSX-3225 25.0000MF10P-C3  [CRYSTAL_3225__4_PAD]  95.1 16 0 top

## Footprints (pads in the part's own frame, mm; a bottom-side part is the same pattern mirrored in y, then rotated)
0402LED
  rect 0.45x0.75 smd: 1(-0.55,0) 2(0.55,0)
0402R
  rect 0.54x0.64 smd: 1(-0.5,0) 2(0.5,0)
0603C
  rect 0.66x1 smd: 1(-0.73,0) 2(0.73,0)
0603L
  rect 0.66x1 smd: 1(-0.71,0) 2(0.75,0)
0603R
  rect 0.64x1 smd: 1(-0.775,0) 2(0.775,0)
CRYSTAL_3225__4_PAD
  rect 1.4x1.2 smd: 1(-1.1,-0.8) 2(1.1,-0.8) 3(1.1,0.8) 4(-1.1,0.8)
ELECTROLITIC_CAP_4mm
  rect 2.6x1.6 smd: 1(-1.8,0) 2(1.8,0)
Fiducial
  round 1 smd: (0,0)
FIDUCIAL_23
  round 1 smd: 1(0,0)
HEADER_MALE_9X1
  round 1.7 hole 1: 1(-10.16,0) 2(-7.62,0) 3(-5.08,0) 4(-2.54,0) 5(0,0) 6(2.54,0) 7(5.08,0) 8(7.62,0) 9(10.16,0)
HOLE_3.2mm
  round 3.2 hole 3.2 unplated: (0,0)
HR913550A
  round 1.524 hole 0.89: 1(4.44,-6.32) 2(3.18,-8.86) 3(1.9,-6.32) 4(0.64,-8.86) 5(-0.64,-6.32) 6(-1.9,-8.86) 7(-3.18,-6.32) 8(-4.44,-8.86)
  round 1.524 hole 1.02: 9(6.625,4.9) 10(4.085,4.9) 11(-4.085,4.9) 12(-6.625,4.9)
  round 1.524 hole 3.15: MP(-5.715,0) MP(5.715,0)
  round 1.524 hole 1.63: MP0(-8.05,-3.05) MP1(8.05,-3.05)
NPTH
  round 2 hole 2 unplated: (0,0)
SMD-JUMPER-CONNECTED_TRACE_SLODERMASK
  rect 0.5x1 smd: 1(-0.35,0) 2(0.35,0)
SMD_JUMPER
  rect 0.5x1 smd: 1(-0.35,0) 2(0.35,0)
SOT-23-5
  rect 1.1x0.6 smd: 1(-1.3,0.95) 2(-1.3,0) 3(-1.3,-0.95) 4(1.3,-0.95) 5(1.3,0.95)
SOT-363
  rect 0.66x0.3 smd: 1(-0.92,0.65) 2(-0.92,0) 3(-0.92,-0.65) 4(0.92,-0.65) 5(0.92,0) 6(0.92,0.65)
TXB0104QPWRQ1
  rect 1.55x0.3 smd: 1(-2.8,1.95) 2(-2.8,1.3) 3(-2.8,0.65) 4(-2.8,0) 5(-2.8,-0.65) 6(-2.8,-1.3) 7(-2.8,-1.95) 8(2.8,-1.95) 9(2.8,-1.3) 10(2.79,-0.65) 11(2.8,0) 12(2.8,0.65) 13(2.8,1.3) 14(2.8,1.95)
WIZnet W5500
  rect 1x0.3 smd: 1(-4.2,2.75) 2(-4.2,2.25) 3(-4.2,1.75) 4(-4.2,1.25) 5(-4.2,0.75) 6(-4.2,0.25) 7(-4.2,-0.25) 8(-4.2,-0.75) 9(-4.2,-1.25) 10(-4.2,-1.75) 11(-4.2,-2.25) 12(-4.2,-2.75) 25(4.2,-2.75) 26(4.2,-2.25) 27(4.2,-1.75) 28(4.2,-1.25) 29(4.2,-0.75) 30(4.2,-0.25) 31(4.2,0.25) 32(4.2,0.75) 33(4.2,1.25) 34(4.2,1.75) 35(4.2,2.25) 36(4.2,2.75)
  rect 0.3x1 smd: 13(-2.75,-4.2) 14(-2.25,-4.2) 15(-1.75,-4.2) 16(-1.25,-4.2) 17(-0.75,-4.2) 18(-0.25,-4.2) 19(0.25,-4.2) 20(0.75,-4.2) 21(1.25,-4.2) 22(1.75,-4.2) 23(2.25,-4.2) 24(2.75,-4.2) 37(2.75,4.2) 38(2.25,4.2) 39(1.75,4.2) 40(1.25,4.2) 41(0.75,4.2) 42(0.25,4.2) 43(-0.25,4.2) 44(-0.75,4.2) 45(-1.25,4.2) 46(-1.75,4.2) 47(-2.25,4.2) 48(-2.75,4.2)
